# Allegro board LAY-31407_C2.brd (continued)
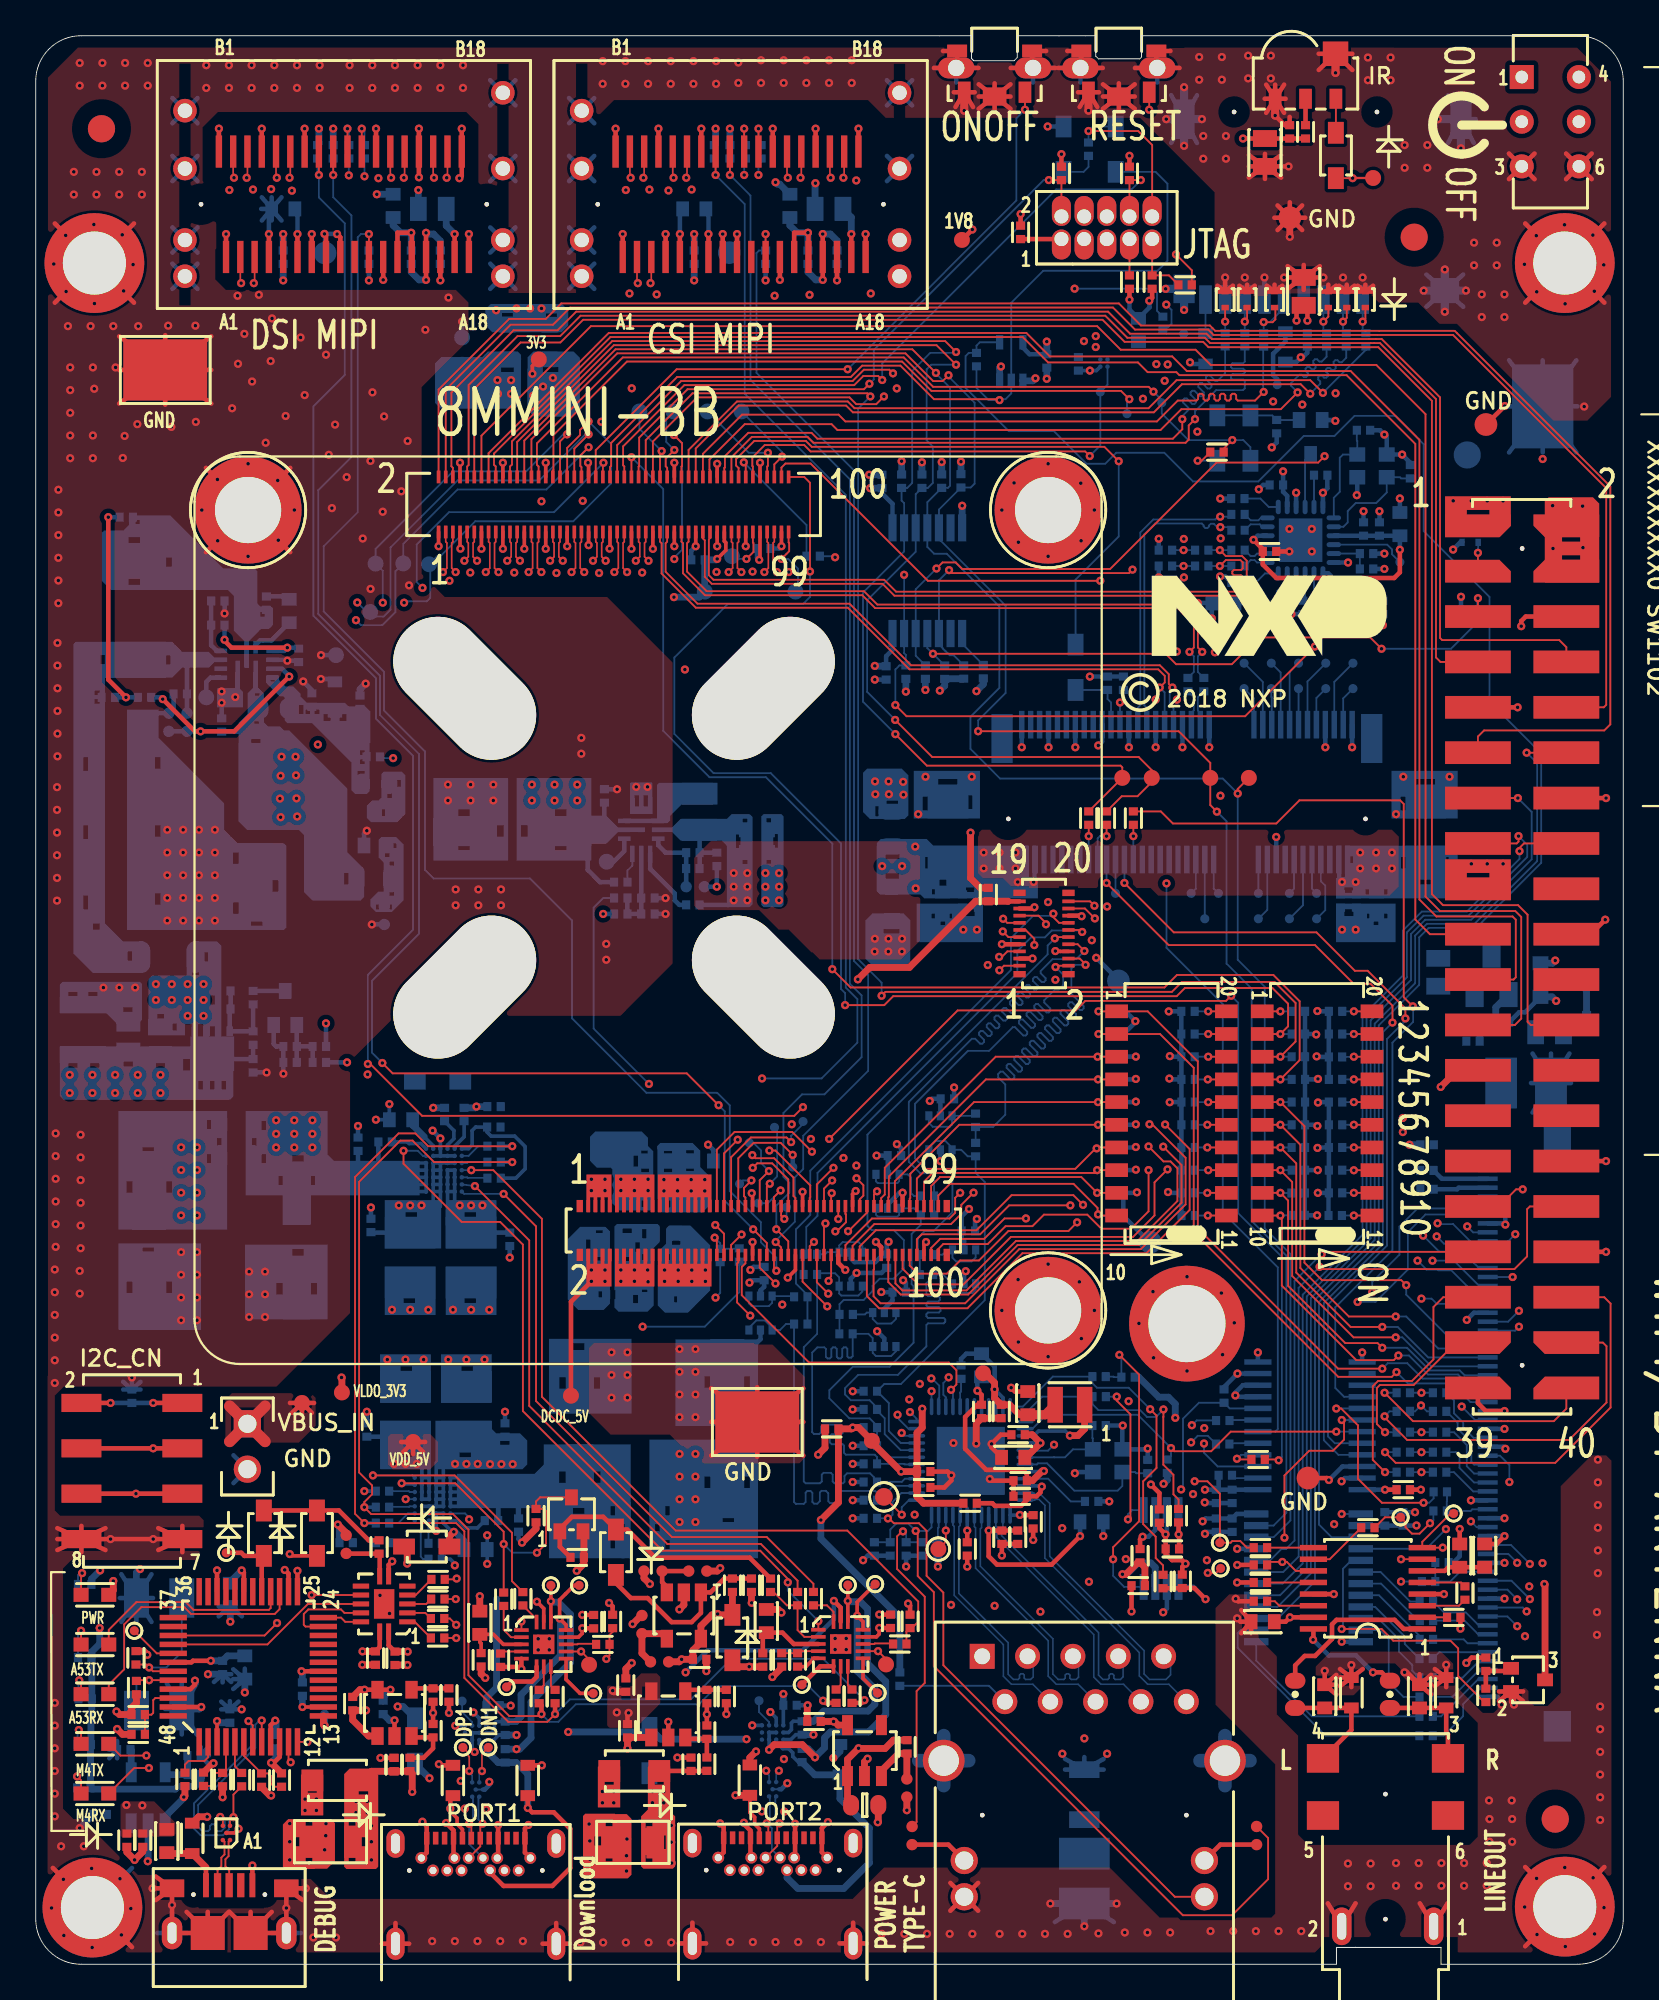
[diagram p0: board, top side]
## Routing (per net, layer and track width the routed paths; a pad name or vN(x,y) marks a point on that pad's centre or on a via; arc(x,y) is an arc through that point) (continued)
LD2_I2C_SCL: length 1.7
  BOTTOM w0.102: U305.B1 24.24,45.25 24.78,45.79 R311.2
LD2_I2C_SDA: length 1.5
  BOTTOM w0.102: R312.2 24.21,44.9 24.16,44.85 U305.C1
LD2_NINT: length 44.1
  TOP w0.102: R341.2 48.76,18.61 R344.2 49.06,18.82 49.42,19.18 49.42,20.3 45.45,24.28 35.83,24.28 28.35,31.77 28.35,41.73 25.62,44.45 v1(24.39,44.45)
  BOTTOM w0.102: U305.D1 v1(24.39,44.45)
LED_ACT: length 21.6
  TOP w0.102: R510.1 49.33,7.97 49.33,15.29 49.78,15.75 49.78,20.57 48.23,22.12 48.23,23.95 48.51,24.23 v1(48.56,24.23)
  BOTTOM w0.102: v1(48.56,24.23) 48.74,24.05 R520.1 C514.1 R519.1 50.52,24.41 50.56,24.45 U501.23
LED_LINK10_100: length 33.6
  TOP w0.102: J501.14 63.79,3.78 50.83,16.74 50.83,20.8 49.89,21.74 49.89,24.26 49.46,24.69 48.05,24.69 47.78,24.96 v1(47.72,24.96)
  BOTTOM w0.102: U501.26 48.48,26.38 47.98,25.88 47.98,25.16 47.77,24.96 v1(47.72,24.96) 47.71,24.96 C516.1
LED_LINK1000: length 41.5
  TOP w0.102: R513.1 69.01,7.07 69.01,4.76 66.99,2.74 64.24,2.74 50.29,16.69 50.29,20.83 49.39,21.73 49.39,24.14 v1(49.28,24.25)
  BOTTOM w0.102: R525.1 C515.1 47.85,24.33 48.18,24.66 48.87,24.66 v1(49.28,24.25) 49.96,24.25 50.16,24.46 U501.24
LINE_OUTL: length 6.6
  TOP w0.254: R404.2 C407.1 TVS402.2 73.67,13.12 J401.4
LINE_OUTR: length 6
  TOP w0.254: R403.2 C406.2 TVS401.2 78.98,12.98 79.08,12.88 J401.3
LINEVDD: length 3.6
  TOP w0.254: U401.6 78.9,22.02 79.11,22.22 L401.1 C402.1
LINK / ACTIVE: length 3.3
  TOP w0.254: J501.13 66.33,6.7 R513.2
LINKACT: length 3.3
  TOP w0.254: R510.2 51.11,6.7 J501.11
M2_I2C_SCL: length 1.9
  TOP w0.102: R631.1 v1(58.97,63.15)
  BOTTOM w0.102: J601.60 v1(58.97,63.15)
M2_I2C_SDA: length 2.4
  TOP w0.102: R630.1 v1(59.97,63.15)
  BOTTOM w0.102: J601.58 59.47,63.02 59.59,63.15 v1(59.97,63.15)
M2_PCM_CLK: length 3.6
  BOTTOM w0.102: J601.8 71.97,60.62 72.21,60.38 72.21,59 TP604.1
M2_PCM_IN: length 3.6
  BOTTOM w0.102: J601.12 70.97,59.28 TP608.1
M2_PCM_OUT: length 2
  BOTTOM w0.102: TP610.1 70.47,60.21 J601.14
M2_PCM_SYNC: length 2
  BOTTOM w0.102: TP606.1 71.47,60.21 J601.10
M2_SD_CLK: length 2.2
  BOTTOM w0.102: TP605.1 71.72,70.88 J601.9
M2_SD_CMD: length 3.9
  BOTTOM w0.102: TP607.1 71.22,71.8 J601.11
M2_SD_DAT0: length 2
  BOTTOM w0.102: TP609.1 J601.13
M2_SD_DAT1: length 3.6
  BOTTOM w0.102: J601.15 70.22,72.33 TP611.1
M2_SD_DAT2: length 3.7
  BOTTOM w0.102: TP612.1 69.72,72.3 J601.17
M2_SD_DAT3: length 2
  BOTTOM w0.102: TP613.1 69.19,70.95 69.22,70.92 J601.19
M2_SD_NRST: length 2.2
  BOTTOM w0.102: J601.23 68.22,70.86 TP617.1
M2_SD_WAKE: length 3.9
  BOTTOM w0.102: J601.21 68.72,71.78 TP615.1
M2_UART_CTS: length 2
  BOTTOM w0.102: J601.36 64.97,60.21 TP620.1
M2_UART_RTS: length 3.3
  BOTTOM w0.102: TP619.1 J601.34
M2_UART_RXD: length 1.9
  BOTTOM w0.102: TP616.1 J601.22
M2_UART_TXD: length 2
  BOTTOM w0.102: J601.32 65.97,60.21 TP618.1
M2_USB_DN: length 3.9
  BOTTOM w0.102: J601.5 72.72,71.78 TP603.1
M2_USB_DP: length 2.2
  BOTTOM w0.102: J601.3 73.22,70.86 TP601.1
MDC: length 15.4
  TOP w0.102: R537.2 64,26.02 63.71,26.31 63.71,27.4 63.14,27.97 63.14,30.64 63.15,30.64 v1(63.15,31.06)
  BOTTOM w0.102: U501.1 55.4,30.81 56.36,31.77 R511.2 59.18,31.35 59.51,31.02 61.84,31.02 62.22,30.64 62.73,30.64 v1(63.15,31.06)
MDIO: length 19.7
  TOP w0.102: R538.2 63.13,22.33 62.72,22.74 62.72,23.94 62.01,24.64 62.01,27.03 62.76,27.78 62.76,30.71 v1(62.41,31.07)
  BOTTOM w0.102: U501.48 55.28,31.22 56.95,32.89 R512.2 59.17,32.52 59.42,32.27 61.2,32.27 v1(62.41,31.07)
NRST: length 10.2
  TOP w0.102: J902.10 62.52,101.83 61.74,102.62 v1(58.95,102.62)
  BOTTOM w0.102: D908.C 59.21,102.87 v1(58.95,102.62) R919.2
NVCC_ENET: length 72.8
  TOP w0.254: 54.45,59.5 J203.19
  TOP w0.381: v1(60.86,21.83) 61.05,21.83 61.71,22.49 R526.2 62.11,22.22 C523.1 ; R502.2 44.2,28.91 v1(43.81,28.52) ; 54.45,59.5 54.45,59.5 R536.2 52.63,59.5 48.92,55.8 46.7,55.8 v1(46.04,55.13)
  L3_IN1 w0.381: v1(46.04,55.13) 46.04,52.33 43.41,49.71 41.98,49.71 38.74,46.46 38.74,33.53 43.74,28.52 v1(43.81,28.52) 43.76,28.47 43.76,26.01 48.2,21.57 52.64,21.57 53.13,22.06 60.63,22.06 v1(60.86,21.83)
  BOTTOM w0.381: U508.3 62.69,22.22 62.44,22.47 61.73,22.47 61.1,21.83 v1(60.86,21.83)
ONOFF: length 37.1
  TOP w0.102: v1(45.47,89.28) 35.89,89.28 31.36,84.75 J201.46 ; SW901.2 v1(55.4,103.81)
  BOTTOM w0.102: v1(45.47,89.28) 54.91,98.73 54.91,103.33 v1(55.4,103.81)
PCIE_CLKN: length 38.1
  TOP w0.099: v1(66.31,79.16) 66.64,78.83 67.55,78.83 67.81,78.57 67.81,77.03 67.38,76.61 48.08,76.61 47.42,77.27 37.86,77.27 37.47,77.66 37.47,79.7 37.36,79.81 J201.75
  BOTTOM w0.099: R611.2 v1(66.31,79.16) R615.1
PCIE_CLKP: length 37.9
  TOP w0.099: v1(66.31,78.27) 66.64,78.6 67.46,78.6 67.59,78.47 67.59,78.14 67.5,78.05 67.09,78.05 67.01,77.96 67.01,77.84 67.09,77.75 67.48,77.75 67.59,77.65 67.59,77.13 67.29,76.83 48.18,76.83 47.51,77.5 37.95,77.5 37.69,77.76 37.69,79.76 37.76,79.82 J201.77
  BOTTOM w0.099: R610.2 v1(66.31,78.27) R614.1
PCIE_NCLKREQ: length 48
  TOP w0.102: R632.2 66.52,84.83 v1(67,85.32) ; J201.30 28.16,83.84 28.07,83.93 28.07,85.13 32.87,89.94 48.61,89.94 50.25,88.3 62.32,88.3 v1(62.59,88.03)
  BOTTOM w0.102: v1(62.59,88.03) 63.06,87.56 TP221.1 63.06,86.8 64.54,85.32 v1(67,85.32) 67.62,85.32 68.02,84.91 D603.C
PCIE_NCLKREQ_DEV: length 19.6
  TOP w0.102: R632.1 65.29,84.16 v1(65.07,84.16)
  L3_IN1 w0.127: v1(65.07,84.16) 65.07,83.63 60.43,78.99 60.43,70.92 v1(60.72,70.63)
  BOTTOM w0.102: D602.C v1(65.07,84.16) ; J601.53 v1(60.72,70.63) 60.91,70.82 R626.2
PCIE_NDIS: length 48.6
  TOP w0.102: v1(75.97,52.71) 75.97,53.65 74.75,54.88 73.8,54.88 71.64,57.05 63.44,57.05 v1(59.97,60.53)
  BOTTOM w0.102: J601.56 v1(59.97,60.53) ; U202.21 72.95,28.51 72.13,29.33 72.13,37.02 75.44,40.32 75.44,52.17 v1(75.97,52.71)
PCIE_NDIS_LV: length 32
  TOP w0.102: v1(44.32,36.83) 42.94,38.21 J202.62
  L3_IN1 w0.127: v1(65.42,29.15) 64.87,29.69 62.13,29.69 61.22,30.6 60.2,30.6 59.36,31.45 53.67,31.45 53.19,31.93 53.19,32.71 49.85,36.04 45.11,36.04 v1(44.32,36.83)
  BOTTOM w0.102: v1(65.42,29.15) 65.42,28.63 66.19,27.86 U202.3
PCIE_NRST: length 47.8
  TOP w0.102: v1(76.7,52.94) 76.7,53.5 74.58,55.61 73.87,55.61 71.72,57.76 63.73,57.76 v1(60.97,60.53)
  BOTTOM w0.102: J601.52 v1(60.97,60.53) ; U202.20 72.75,29.16 72.36,29.55 72.36,36.92 75.67,40.23 75.67,51.79 76.7,52.82 v1(76.7,52.94)
PCIE_NRST_LV: length 60.6
  TOP w0.102: v1(66.94,54.21) 66.65,53.92 58.78,53.92 58.24,53.39 51.63,53.39 v1(44.43,46.2) ; R211.1 69.55,28.26 v1(69.6,28.21) ; v1(44.22,41.47) 44.14,41.39 J202.68
  L3_IN1 w0.127: v1(44.22,41.47) 44.12,41.57 44.12,45.88 v1(44.43,46.2)
  BOTTOM w0.102: v1(66.94,54.21) 67.34,53.82 67.34,42.04 69.78,39.59 69.78,28.39 v1(69.6,28.21)
PCIE_NWAKE: length 34.6
  TOP w0.102: J201.86 39.36,83.75 39.22,83.89 39.22,84.25 40.24,85.27 43.13,85.27 43.46,84.94 59.84,84.94 v1(60.65,84.13)
  BOTTOM w0.102: v1(60.65,84.13) 60.65,79.92 58.23,77.51 D601.A
PCIE_REQ: length 3.1
  BOTTOM w0.102: Q604.3 71.08,84.22 U601.22
PCIE_RXN: length 35.9
  TOP w0.099: J201.63 34.96,79.63 35.05,79.54 35.05,77.85 36.96,75.93 45.48,75.93 48.93,72.48 62.86,72.48 63.22,72.12 63.22,71.75 v1(62.94,71.47)
  BOTTOM w0.099: J601.43 63.22,71.19 v1(62.94,71.47)
PCIE_RXP: length 35.9
  TOP w0.099: J201.65 35.36,79.63 35.27,79.54 35.27,77.94 37.06,76.16 45.57,76.16 49.02,72.71 62.95,72.71 63.45,72.21 63.45,71.67 v1(63.65,71.47)
  BOTTOM w0.099: v1(63.65,71.47) 63.5,71.32 63.5,70.51 63.72,70.3 J601.41
PCIE_TXN: length 35.5
  TOP w0.099: v1(64.61,73.46) 64.85,73.7 64.85,75 63.94,75.91 47.01,75.91 46.29,76.63 37.48,76.63 36.25,77.86 36.25,79.54 36.16,79.63 J201.69
  BOTTOM w0.099: v1(64.61,73.46) 64.85,73.22 64.85,72.33 C616.1
PCIE_TXP: length 35.5
  TOP w0.099: v1(65.32,73.46) 65.08,73.7 65.08,75.09 64.06,76.11 47.13,76.11 46.38,76.86 37.57,76.86 36.47,77.96 36.47,79.54 36.56,79.63 J201.71
  BOTTOM w0.099: v1(65.32,73.46) 65.08,73.22 65.08,72.33 C615.1
PD1_I2C_SCL: length 1.4
  TOP w0.102: R302.2 28.85,15.6 U303.8
PD1_I2C_SDA: length 1.4
  TOP w0.102: R303.2 28.45,15.61 U303.7
PD2_I2C_SCL: length 1.4
  TOP w0.102: U306.8 45.48,15.61 R309.2
PD2_I2C_SDA: length 1.4
  TOP w0.102: U306.7 45.08,15.63 R310.2
PD_EN_SRC1: length 1.2
  TOP w0.102: R332.1 28.05,19.32 U303.16
PD_EN_SRC2: length 1.8
  TOP w0.102: U306.16 44.68,19.72 44.31,20.09 R334.1
PHY_CLKOUT: length 2.8
  TOP w0.102: TP502.1 v1(48.5,25.16)
  BOTTOM w0.102: v1(48.5,25.16) 48.5,25.58 48.89,25.98 U501.25
PMIC_ON_REQ: length 43.6
  TOP w0.102: v1(31.79,84.05) 31.76,84.02 J201.48
  L3_IN1 w0.127: v1(16.26,52.67) 16.26,52.95 19.56,56.25 19.56,74.46 21.66,76.57 v1(21.66,77.04)
  BOTTOM w0.102: v1(21.66,77.04) 21.34,77.37 21.34,79.48 23.14,81.28 29.02,81.28 v1(31.79,84.05)
  BOTTOM w0.254: R131.1 v1(16.26,52.67)
POR_B: length 52.1
  TOP w0.102: J201.50 32.16,83.81 32.22,83.87 32.22,85.16 35.92,88.85 45.65,88.85 46.28,89.48 48.42,89.48 50.3,87.6 53.92,87.6 v1(53.97,87.55)
  BOTTOM w0.102: R210.1 52.68,88.24 53.37,87.55 v1(53.97,87.55) 54.02,87.6 54.31,87.6 54.63,87.93 U204.2 54.63,93.01 56.41,94.79 62.81,94.79 63.37,95.35 63.37,99.67 62.71,100.33 D908.A
PPS/GPIO: length 2.1
  TOP w0.102: v1(50.96,24.28) 50.96,23.66 TP501.1
  BOTTOM w0.102: U501.22 v1(50.96,24.28)
REF_CLK_32K: length 53.2
  TOP w0.102: J202.37 38.14,45.6 39.13,46.59 42.37,46.59 v1(43.47,45.49)
  L6_IN2 w0.127: v1(64.14,26.58) 63.06,27.66 60.58,27.66 59.77,28.46 49.06,28.46 47.06,30.46 47.06,32.95 44.89,35.12 44.89,40.17 43.78,41.29 43.78,45.17 v1(43.47,45.49)
  BOTTOM w0.102: v1(64.14,26.58) 64.24,26.68 64.24,30.54 65.14,31.43 R215.1 66.86,31.11 U202.8
REF_CLK_32K_3V3: length 52.5
  TOP w0.102: R629.2 63,64.53 63.68,63.86 69.47,63.86 70.76,65.15 76.4,65.15 76.61,64.95 76.61,54.13 v1(77.11,53.62)
  BOTTOM w0.102: U202.16 73.27,31.76 72.77,32.26 72.77,36.77 75.97,39.98 75.97,51.59 77.13,52.75 77.13,53.43 77.11,53.44 v1(77.11,53.62)
REF_CLKN_CN: length 21.7
  L3_IN1 w0.099: v1(66.33,81.03) 66.21,81.03 66.01,80.83 65.04,80.83 64.72,80.51 64.72,79.03 64.72,79.03 64.72,78.94 64.62,78.84 64.42,78.84 64.28,78.98 v1(64.28,79.16)
  BOTTOM w0.099: J601.49 61.72,70.33 61.85,70.47 61.85,80.14 62.58,80.87 66.06,80.87 66.21,81.03 v1(66.33,81.03) 66.82,81.03 R617.2 ; R615.2 v1(64.28,79.16) R622.1
REF_CLKP_CN: length 21.7
  L3_IN1 w0.099: v1(66.33,80.44) 66.17,80.44 66.01,80.6 65.13,80.6 64.95,80.42 64.95,79.13 64.95,78.84 64.72,78.61 64.37,78.61 64.28,78.52 v1(64.28,78.27)
  BOTTOM w0.099: J601.47 62.22,70.33 62.08,70.47 62.08,80.05 62.68,80.65 65.3,80.65 65.4,80.55 65.4,80.49 65.49,80.39 65.61,80.39 65.7,80.48 65.7,80.53 65.8,80.63 65.98,80.63 66.17,80.44 v1(66.33,80.44) 66.78,80.44 R616.2 ; R621.1 v1(64.28,78.27) R614.2
SAI1_MCLK: length 37.4
  TOP w0.102: v1(55.45,41.75) 54.25,41.75 53.11,40.6 50.65,40.6 50.14,40.1 J202.98
  L3_IN1 w0.127: v1(55.45,41.75) 56.11,41.09 66.9,41.09 70.36,37.62 v1(74.84,37.62)
  BOTTOM w0.102: v1(74.84,37.62) 74.84,38.2 76.37,39.72 76.37,41.29 77.38,42.31 79.54,42.31 80.2,42.97 J1001.4
SAI1_RXC: length 44.6
  TOP w0.102: v1(52.52,43.19) 51.83,42.51 51.83,42 51.25,41.43 46.96,41.43 45.74,40.21 J202.76
  L3_IN1 w0.127: v1(52.52,43.19) 53.08,43.75 66.9,43.75 70,40.65 75.24,40.65 77,38.9 80.74,38.9 v1(83.06,36.58)
  BOTTOM w0.102: J1001.18 82.45,35.97 v1(83.06,36.58)
SAI1_RXD0: length 57.9
  TOP w0.102: SW1101.5 v1(69.7,48.26) 71.04,46.91 71.04,39.28 72.03,38.29 76.47,38.29 v1(76.74,38.01) ; J202.78 46.14,40.18 47.05,41.09 52.68,41.09 54.64,43.05 58.11,43.05 v1(58.65,42.51)
  L3_IN1 w0.127: v1(58.65,42.51) 58.74,42.42 66.98,42.42 70.86,38.54 76.22,38.54 v1(76.74,38.01)
  BOTTOM w0.102: J1001.20 79.26,34.97 76.74,37.48 v1(76.74,38.01) ; R1112.1 v1(69.7,48.26)
SAI1_RXD1: length 57.7
  TOP w0.102: v1(76.15,36.26) 73.53,36.26 70.82,38.98 70.82,45.87 v1(69.7,46.99) SW1101.6 ; J202.80 46.54,37.4 47.23,36.72 52.17,36.72 55.25,39.8 62.2,39.8 64.62,42.22 64.62,45.63 v1(63.24,47.01)
  L3_IN1 w0.127: v1(63.24,47.01) 63.76,47.52 69.17,47.52 v1(69.7,46.99)
  BOTTOM w0.102: v1(76.15,36.26) 76.75,36.26 78.54,34.47 J1001.21 ; R1114.1 v1(69.7,46.99)
SAI1_RXD2: length 57.2
  TOP w0.102: SW1101.7 v1(69.7,45.72) 70.59,44.83 70.59,38.72 73.63,35.67 v1(75.4,35.67) ; v1(62.37,47.02) 62.52,47.02 64.39,45.15 64.39,42.53 61.89,40.03 55.08,40.03 52.05,37 47.31,37 46.92,37.39 46.92,38.87 46.94,38.89 J202.82
  L3_IN1 w0.127: v1(69.7,45.72) 68.92,46.49 62.89,46.49 v1(62.37,47.02)
  BOTTOM w0.102: v1(75.4,35.67) 76.27,35.67 77.97,33.97 J1001.22 ; R1116.1 v1(69.7,45.72)
SAI1_RXD3: length 52.3
  TOP w0.102: J202.86 47.74,38.19 48.44,37.49 52.22,37.49 54.98,40.26 61.79,40.26 64.16,42.63 64.16,44.74 v1(63.14,45.76) ; SW1101.8 v1(69.7,44.45) 70.36,43.79 70.36,38.53 73.8,35.09 v1(76.15,35.09)
  L3_IN1 w0.127: v1(63.14,45.76) 63.57,46.2 67.95,46.2 v1(69.7,44.45)
  BOTTOM w0.102: v1(76.15,35.09) 76.53,35.09 78.15,33.47 J1001.23 ; R1118.1 v1(69.7,44.45)
SAI1_RXD4: length 52.3
  TOP w0.102: v1(62.32,45.78) 63.15,44.94 63.55,44.94 63.93,44.55 63.93,42.72 61.7,40.49 54.89,40.49 52.12,37.72 48.53,37.72 48.14,38.11 J202.88 ; v1(75.4,34.51) 75.14,34.77 73.33,34.77 70.13,37.97 70.13,42.75 v1(69.7,43.18) SW1101.9
  L3_IN1 w0.127: v1(62.32,45.78) 62.88,45.21 67.66,45.21 v1(69.7,43.18)
  BOTTOM w0.102: v1(75.4,34.51) 76.79,34.51 78.06,33.24 79.74,33.24 80.01,32.97 J1001.24 ; v1(69.7,43.18) 69.71,43.17 R1102.1
SAI1_RXD5: length 46.7
  TOP w0.102: J202.90 48.54,38.93 49.42,38.06 51.95,38.06 54.61,40.71 61.45,40.71 62.65,41.92 62.65,43.77 v1(63.38,44.49) ; SW1101.10 v1(69.7,41.91) 69.78,41.83 69.78,37.99 73.95,33.82 76.05,33.82 v1(76.31,34.07)
  L3_IN1 w0.127: v1(63.38,44.49) 63.87,44.01 67.32,44.01 69.42,41.91 v1(69.7,41.91)
  BOTTOM w0.102: v1(69.7,41.91) 69.71,41.92 R1136.1 ; J1001.25 80.19,32.47 79.65,33.01 77.96,33.01 76.9,34.07 v1(76.31,34.07)
SAI1_RXD6: length 61.4
  TOP w0.102: v1(58.32,41.53) 57.83,41.04 54.47,41.04 52.82,39.4 51.77,39.4 51.03,38.66 49.39,38.66 48.94,39.11 J202.92 ; v1(59.51,53.34) SW1102.1 62.27,53.34 65.07,50.53 65.07,41.19 72.93,33.34 v1(75.4,33.34)
  L6_IN2 w0.127: v1(59.51,53.34) 57.49,51.32 57.49,42.3 58.26,41.53 v1(58.32,41.53)
  BOTTOM w0.102: J1001.26 80.32,31.97 79.51,32.78 77.67,32.78 76.81,33.64 75.71,33.64 v1(75.4,33.34) ; R1120.1 v1(59.51,53.34)
SAI1_RXD7: length 57.1
  TOP w0.102: v1(59.51,52.07) SW1102.2 62.96,52.07 64.85,50.18 64.85,40.98 72.94,32.88 75.93,32.88 v1(76.2,33.15) ; v1(57.94,42.48) 54.51,42.48 52.89,40.86 49.62,40.86 49.34,40.58 J202.94
  L6_IN2 w0.127: v1(57.94,42.48) 57.94,50.49 v1(59.51,52.07)
  BOTTOM w0.102: R1122.1 v1(59.51,52.07) ; v1(76.2,33.15) 76.84,32.51 79.3,32.51 80.34,31.47 J1001.27
SAI1_RXFS: length 45.3
  TOP w0.102: J202.74 45.34,40.26 46.83,41.74 51.17,41.74 51.49,42.06 51.49,42.9 v1(51.77,43.18)
  L3_IN1 w0.127: v1(51.77,43.18) 52.21,42.74 52.9,42.74 53.41,43.25 58.54,43.25 59.05,42.74 67.23,42.74 69.78,40.18 75.06,40.18 76.74,38.5 80.24,38.5 v1(83.06,35.69)
  BOTTOM w0.102: J1001.19 82.84,35.47 v1(83.06,35.69)
SAI1_TXC: length 41.2
  TOP w0.102: v1(47.11,43.27) 46.94,43.1 J202.81
  L3_IN1 w0.127: v1(47.11,43.27) 47.48,43.63 49.74,43.63 52.67,40.7 66.67,40.7 70.29,37.07 v1(74.02,37.07)
  BOTTOM w0.102: v1(74.02,37.07) 75.02,37.07 76.84,38.89 76.84,40.98 77.82,41.97 J1001.6
SAI1_TXD0: length 48.9
  TOP w0.102: SW1102.3 v1(59.46,50.8) 53.76,50.8 47.54,44.59 47.54,43.09 47.34,42.88 J202.83
  L6_IN2 w0.127: v1(82.85,40.86) 82.85,42.87 75.37,50.36 59.91,50.36 v1(59.46,50.8)
  BOTTOM w0.102: J1001.9 82.46,40.47 v1(82.85,40.86) ; R1124.1 v1(59.46,50.8)
SAI1_TXD1: length 45.8
  TOP w0.102: J202.85 47.74,42.93 47.77,42.96 47.77,44.1 53.21,49.53 v1(59.49,49.53) SW1102.4
  L6_IN2 w0.127: v1(59.49,49.53) 59.52,49.53 59.97,49.09 75.47,49.09 77.62,46.93 77.62,42.35 v1(78.5,41.48)
  BOTTOM w0.102: J1001.10 80.83,39.97 79.37,41.43 78.55,41.43 v1(78.5,41.48) ; R1126.1 v1(59.49,49.53)
SAI1_TXD2: length 43.2
  TOP w0.102: SW1102.5 v1(59.49,48.26) 52.54,48.26 48.11,43.83 48.11,42.89 48.14,42.86 J202.87
  L6_IN2 w0.127: v1(78.45,40.74) 76.54,42.65 76.54,43 74.8,44.73 74.8,46.79 73.91,47.68 60.07,47.68 v1(59.49,48.26)
  BOTTOM w0.102: v1(78.45,40.74) 78.86,40.34 79.97,40.34 80.83,39.47 J1001.11 ; R1128.1 v1(59.49,48.26)
SAI1_TXD3: length 40.7
  TOP w0.102: J202.91 48.94,42.86 48.97,42.89 48.97,44.25 51.71,46.99 v1(59.49,46.99) SW1102.6
  L6_IN2 w0.127: v1(77.69,40.79) 76.18,42.29 76.18,42.9 74.05,45.03 71.53,45.03 70.02,46.55 59.93,46.55 v1(59.49,46.99)
  BOTTOM w0.102: R1130.1 v1(59.49,46.99) ; J1001.12 80.82,38.97 79.9,39.89 78.59,39.89 v1(77.69,40.79)
SAI1_TXD4: length 41.9
  TOP w0.102: J202.93 49.34,43.98 49.89,44.52 58.21,44.52 59.36,45.67 v1(59.41,45.67) 59.46,45.72 SW1102.7
  L6_IN2 w0.127: v1(59.41,45.67) 59.8,45.28 70.34,45.28 71.65,43.96 73.8,43.96 77.6,40.17 79.21,40.17 80.91,38.47 v1(82.7,38.47)
  BOTTOM w0.102: J1001.13 v1(82.7,38.47) ; v1(59.41,45.67) 59.46,45.72 R1132.1
SAI1_TXD5: length 37.7
  TOP w0.102: J202.95 49.74,43.81 50.23,44.29 59.28,44.29 v1(59.44,44.45) SW1102.8
  L6_IN2 w0.127: v1(59.44,44.45) 59.88,44.01 65.5,44.01 68.75,40.76 75.79,40.76 76.64,39.91 77.69,39.91 v1(78.22,39.38)
  BOTTOM w0.102: R1134.1 v1(59.44,44.45) ; v1(78.22,39.38) 79.42,39.38 80.83,37.97 J1001.14
SAI1_TXD6: length 37.1
  TOP w0.102: SW1102.9 v1(59.44,43.18) 58.55,44.07 50.64,44.07 50.14,43.57 J202.97
  L6_IN2 w0.127: v1(77.38,39.38) 76.45,39.38 75.52,40.31 68.49,40.31 66.29,42.52 60.1,42.52 v1(59.44,43.18)
  BOTTOM w0.102: v1(77.38,39.38) 77.88,38.89 78.5,38.89 78.54,38.85 79.26,38.85 80.64,37.47 J1001.15 ; R1139.1 v1(59.44,43.18)
SAI1_TXD7: length 36.4
  TOP w0.102: J202.99 50.54,43.03 51.19,43.68 58.11,43.68 59.46,42.34 59.46,42 v1(59.49,41.97) 59.55,41.91 SW1102.10
  L3_IN1 w0.127: v1(59.49,41.97) 60.02,41.44 67.29,41.44 70.66,38.08 75.52,38.08 76.34,37.26 v1(77.59,37.26)
  BOTTOM w0.102: J1001.16 78.45,36.97 78.16,37.26 v1(77.59,37.26) ; R1140.1 59.58,41.88 v1(59.49,41.97)
SAI1_TXFS: length 36.8
  TOP w0.102: J202.100 50.54,40.04 50.82,40.31 53.31,40.31 54.31,41.32 55.81,41.32 56.46,41.96 58.88,41.96 59.67,41.17 61.34,41.17 62.32,42.15 v1(62.32,44.45)
  L3_IN1 w0.127: v1(80.16,41.3) 79.46,42 76.94,42 76.2,42.74 69.15,42.74 66.93,44.96 62.82,44.96 v1(62.32,44.45)
  BOTTOM w0.102: v1(80.16,41.3) 80.49,40.97 J1001.8
SAI2_3_MCLK: length 3.4
  BOTTOM w0.102: R1006.1 79.03,25.91 79.02,25.9 R1005.1 80.36,25.38 80.45,25.47 J1001.39
SAI2_MCLK: length 27.8
  TOP w0.102: J202.66 43.74,38.18 v1(44.38,37.54)
  L3_IN1 w0.127: v1(64.74,30.17) 64.65,30.08 62.42,30.08 61.44,31.07 60.5,31.07 59.74,31.83 54.36,31.83 54.15,32.03 54.15,32.72 50.23,36.64 45.28,36.64 v1(44.38,37.54)
  BOTTOM w0.102: R213.1 66.09,30.44 65.01,30.44 v1(64.74,30.17)
SAI2_MCLK_3V3: length 11.3
  TOP w0.102: v1(72.83,31.11) 72.84,31.11 73.1,31.11 74.04,30.17 74.04,27.17 75.38,25.83 v1(77.72,25.83)
  BOTTOM w0.102: R1006.2 78.28,26.08 78.03,25.83 v1(77.72,25.83) ; v1(72.83,31.11) 72.84,31.11 U202.17
SAI3_MCLK: length 64.9
  TOP w0.102: R401.1 75.55,25.02 TP40.1 76.71,24.74 76.71,24.46 77.07,24.1 77.49,24.1 v1(78.08,24.69) ; v1(42.3,46.02) 42.04,46.28 40.05,46.28 38.94,45.17 J202.41
  L6_IN2 w0.127: v1(78.08,24.69) 77.5,24.12 72.15,24.12 70.87,25.4 62.15,25.4 59.46,28.09 48.85,28.09 46.6,30.34 46.6,32.55 43.87,35.27 43.87,39.27 44.02,39.42 44.02,40.62 43.39,41.26 43.39,44.94 v1(42.3,46.02)
  BOTTOM w0.102: TP214.1 42.97,47.04 42.3,46.37 v1(42.3,46.02) ; R1005.2 78.27,24.85 78.11,24.69 v1(78.08,24.69)
SAI3_RXC: length 54.4
  TOP w0.102: J202.53 41.34,42.95 v1(41.71,43.31)
  L3_IN1 w0.127: v1(80.37,24.79) 78.11,27.05 77.42,27.05 76.49,26.12 67.51,26.12 65.6,28.03 61.07,28.03 58.75,30.35 51.1,30.35 49.41,32.04 49.06,32.04 47.04,34.06 44.75,34.06 43.12,35.68 43.12,41.9 v1(41.71,43.31)
  BOTTOM w0.102: v1(41.71,43.31) 41,42.6 TP219.1 ; J1001.41 80.69,24.47 v1(80.37,24.79)
SAI3_RXD: length 55.7
  TOP w0.102: v1(41.92,41.72) 41.74,41.9 J202.55
  L3_IN1 w0.127: v1(82.96,22.47) 82.26,23.17 79.57,23.17 78.97,23.77 75.95,23.77 73.91,25.81 67.2,25.81 65.52,27.48 60.84,27.48 58.28,30.04 49.55,30.04 49.4,30.19 48.2,30.19 47.12,31.27 47.12,31.52 45.82,32.82 45.42,32.82 42.73,35.5 42.73,40.91 v1(41.92,41.72)
  BOTTOM w0.102: v1(41.92,41.72) 42.04,41.84 TP220.1 ; J1001.44 82.46,22.97 v1(82.96,22.47)
SAI3_RXFS: length 67.1
  TOP w0.102: v1(41.11,43.69) 40.94,43.53 J202.51
  L6_IN2 w0.127: v1(83.67,22.41) 83.28,22.02 70.72,22.02 69.6,20.9 63.45,20.9 61.06,23.29 55.63,23.29 53.19,25.73 47.64,25.73 45.89,27.48 45.65,27.48 40.98,32.15 40.98,43.57 v1(41.11,43.69)
  BOTTOM w0.102: J1001.43 82.61,23.47 v1(83.67,22.41) ; v1(41.11,43.69) 41.51,44.1 41.51,46.7 TP218.1
SAI3_TXC: length 45.9
  TOP w0.102: v1(40.08,43.87) 39.66,43.46 39.66,42.99 39.74,42.92 J202.45 ; R402.1 67.82,23.32 67.46,23.69 67.01,23.69 66.92,23.6 TP41.1 66.31,26.34 65.61,27.03 v1(64.9,27.03)
  L3_IN1 w0.127: v1(64.9,27.03) 63.97,27.03 63.33,26.39 61.03,26.39 58.88,28.55 47.87,28.55 45.94,30.49 45.56,30.49 40.98,35.07 40.98,42.97 v1(40.08,43.87)
  BOTTOM w0.102: v1(40.08,43.87) 39.6,43.87 TP216.1
SAI3_TXD: length 58.4
  TOP w0.102: U401.7 v1(76.45,22.67) ; v1(65.63,21.91) 66.1,21.91 TP43.1 ; J202.49 40.54,43.88 v1(41.06,44.4)
  L3_IN1 w0.127: v1(76.45,22.67) 75.69,21.91 v1(65.63,21.91)
  L6_IN2 w0.127: v1(41.06,44.4) 41.63,44.4 42.18,43.85 42.18,42.13 42.56,41.75 42.56,31.53 45.59,28.5 45.89,28.5 48.23,26.16 54.95,26.16 56.2,24.92 60.27,24.92 63.28,21.91 v1(65.63,21.91)
  BOTTOM w0.102: v1(41.06,44.4) 40.62,44.84 40.62,45.55 40.19,45.98 TP217.1
SAI3_TXFS: length 63.9
  TOP w0.102: v1(78.79,23.32) U401.8 77.64,23.65 79.23,25.23 TP42.1 ; J202.43 39.34,45.12 40.2,45.98 41.71,45.98 v1(42.39,45.31)
  L6_IN2 w0.127: v1(42.39,45.31) 42.44,45.25 42.44,42.51 43.02,41.93 43.02,31.97 45.42,29.57 45.84,29.57 48.69,26.72 55.47,26.72 56.79,25.4 61.3,25.4 63.08,23.62 65.86,23.62 65.94,23.7 67.56,23.7 67.94,23.32 v1(78.79,23.32)
  BOTTOM w0.254: v1(42.39,45.31) 42.39,45.3 TP215.1
SAI5_MCLK: length 42.9
  TOP w0.102: J202.77 46.14,42.82 46.35,43.02 46.35,43.61 v1(45.96,43.99)
  L3_IN1 w0.127: v1(45.96,43.99) 46.43,43.52 46.43,43.32 47.01,42.74 49.83,42.74 52.32,40.26 66.63,40.26 71.77,35.12 75.42,35.12 75.92,34.62 76.39,34.62 79.79,31.22 v1(79.85,31.22)
  BOTTOM w0.102: v1(79.85,31.22) 80.6,30.47 J1001.29
SAI5_RXC: length 42.3
  TOP w0.102: v1(44.67,44.58) 43.74,43.65 J202.65
  L3_IN1 w0.127: v1(77.6,31.99) 76.16,31.99 75.22,32.94 73.18,32.94 66.24,39.88 51.95,39.88 49.7,42.14 46.43,42.14 45.37,43.2 45.37,43.89 v1(44.67,44.58)
  BOTTOM w0.102: R1016.2 v1(77.6,31.99) R1009.2
SAI5_RXD0: length 43.1
  TOP w0.102: J202.67 44.14,43.42 v1(44.6,43.87)
  L3_IN1 w0.127: v1(77.57,31.28) 77.31,31.55 73.84,31.55 72.84,32.55 63.02,32.55 62.26,33.31 55.37,33.31 51.3,37.37 51.3,40.03 49.48,41.85 46.36,41.85 45.11,43.1 45.11,43.36 v1(44.6,43.87)
  BOTTOM w0.102: R1015.2 77.24,30.95 v1(77.57,31.28) 77.9,30.95 R1010.2
SAI5_RXD1: length 41.4
  TOP w0.102: v1(44.57,43.16) 44.54,43.13 J202.69
  L3_IN1 w0.127: v1(77.6,29.78) 76.21,31.17 73.54,31.17 72.43,32.28 62.58,32.28 61.93,32.93 55.31,32.93 50.47,37.78 50.47,39.12 48.1,41.48 46.25,41.48 v1(44.57,43.16)
  BOTTOM w0.102: R1018.1 v1(77.6,29.78) R1011.2
SAI5_RXD2: length 40.6
  TOP w0.102: J202.71 v1(44.94,41.72)
  L3_IN1 w0.127: v1(44.94,41.72) 45.44,41.72 46.02,41.13 47.7,41.13 49.74,39.09 49.74,38.14 55.27,32.61 61.48,32.61 62.19,31.89 66.05,31.89 68.79,29.15 77.11,29.15 v1(77.6,28.66)
  BOTTOM w0.102: R1014.2 v1(77.6,28.66) R1012.2
SAI5_RXD3: length 47.5
  TOP w0.102: v1(44.78,41.02) 44.9,41.15 44.98,41.15 45.37,41.54 45.37,41.97 45.34,42 J202.73
  L3_IN1 w0.127: v1(77.6,27.55) 76.67,27.55 76.23,27.1 74.37,27.1 73.92,27.55 67.01,27.55 66.13,28.42 61.19,28.42 58.9,30.71 52.44,30.71 51.71,31.44 51.71,33.03 50.22,34.52 44.92,34.52 43.5,35.94 43.5,39.48 44.78,40.76 v1(44.78,41.02)
  BOTTOM w0.102: R1017.1 v1(77.6,27.55) R1013.2
SAI5_RXFS: length 46.7
  TOP w0.102: J202.70 44.54,38.5 44.4,38.36 v1(44.4,38.25)
  L3_IN1 w0.127: v1(82.52,26.99) 81.51,28.01 71.35,28.01 70.68,28.68 68.68,28.68 65.85,31.51 62,31.51 61.26,32.25 55.27,32.25 50.34,37.19 45.46,37.19 v1(44.4,38.25)
  BOTTOM w0.102: J1001.33 82,28.47 82.52,27.94 v1(82.52,26.99)
SD2_CLK: length 39.2
  TOP w0.102: v1(68.76,88.01) 68.28,87.53 67.31,87.53 67.22,87.62 67.22,87.82 67.13,87.91 67.01,87.91 66.92,87.82 66.92,87.62 66.83,87.53 66.7,87.53 66.61,87.62 66.61,87.82 66.52,87.91 66.4,87.91 66.31,87.82 66.31,87.62 66.22,87.53 66.09,87.53 66,87.62 66,87.82 65.91,87.91 65.79,87.91 65.7,87.82 65.7,87.62 65.61,87.53 65.48,87.53 65.39,87.62 65.39,87.82 65.31,87.91 65.18,87.91 65.09,87.82 65.09,87.62 65,87.53 63.95,87.53 62.79,86.36 45.34,86.36 44.96,86.74 39.55,86.74 37.36,84.55 J201.76
  BOTTOM w0.102: R704.1 68.74,90.52 68.74,88.04 v1(68.76,88.01)
SD2_CMD: length 40.7
  TOP w0.102: v1(70.66,87.99) 69.72,87.05 64.15,87.05 62.99,85.88 44.9,85.88 44.57,86.21 39.7,86.21 37.73,84.23 37.73,83.66 37.76,83.63 J201.78
  BOTTOM w0.102: R702.1 72.29,89.99 72.01,89.71 71.88,89.71 71.76,89.84 71.63,89.84 71.54,89.75 71.54,89.62 71.67,89.49 71.67,89.37 71.58,89.28 71.45,89.28 71.32,89.41 71.2,89.41 71.11,89.32 71.11,89.19 71.24,89.06 71.24,88.94 71.15,88.85 71.02,88.85 70.89,88.98 70.76,88.98 70.29,88.5 70.29,88.36 v1(70.66,87.99)